# Altium PCB SPEC-A7.PcbDoc (part 2 of 10) (continued)
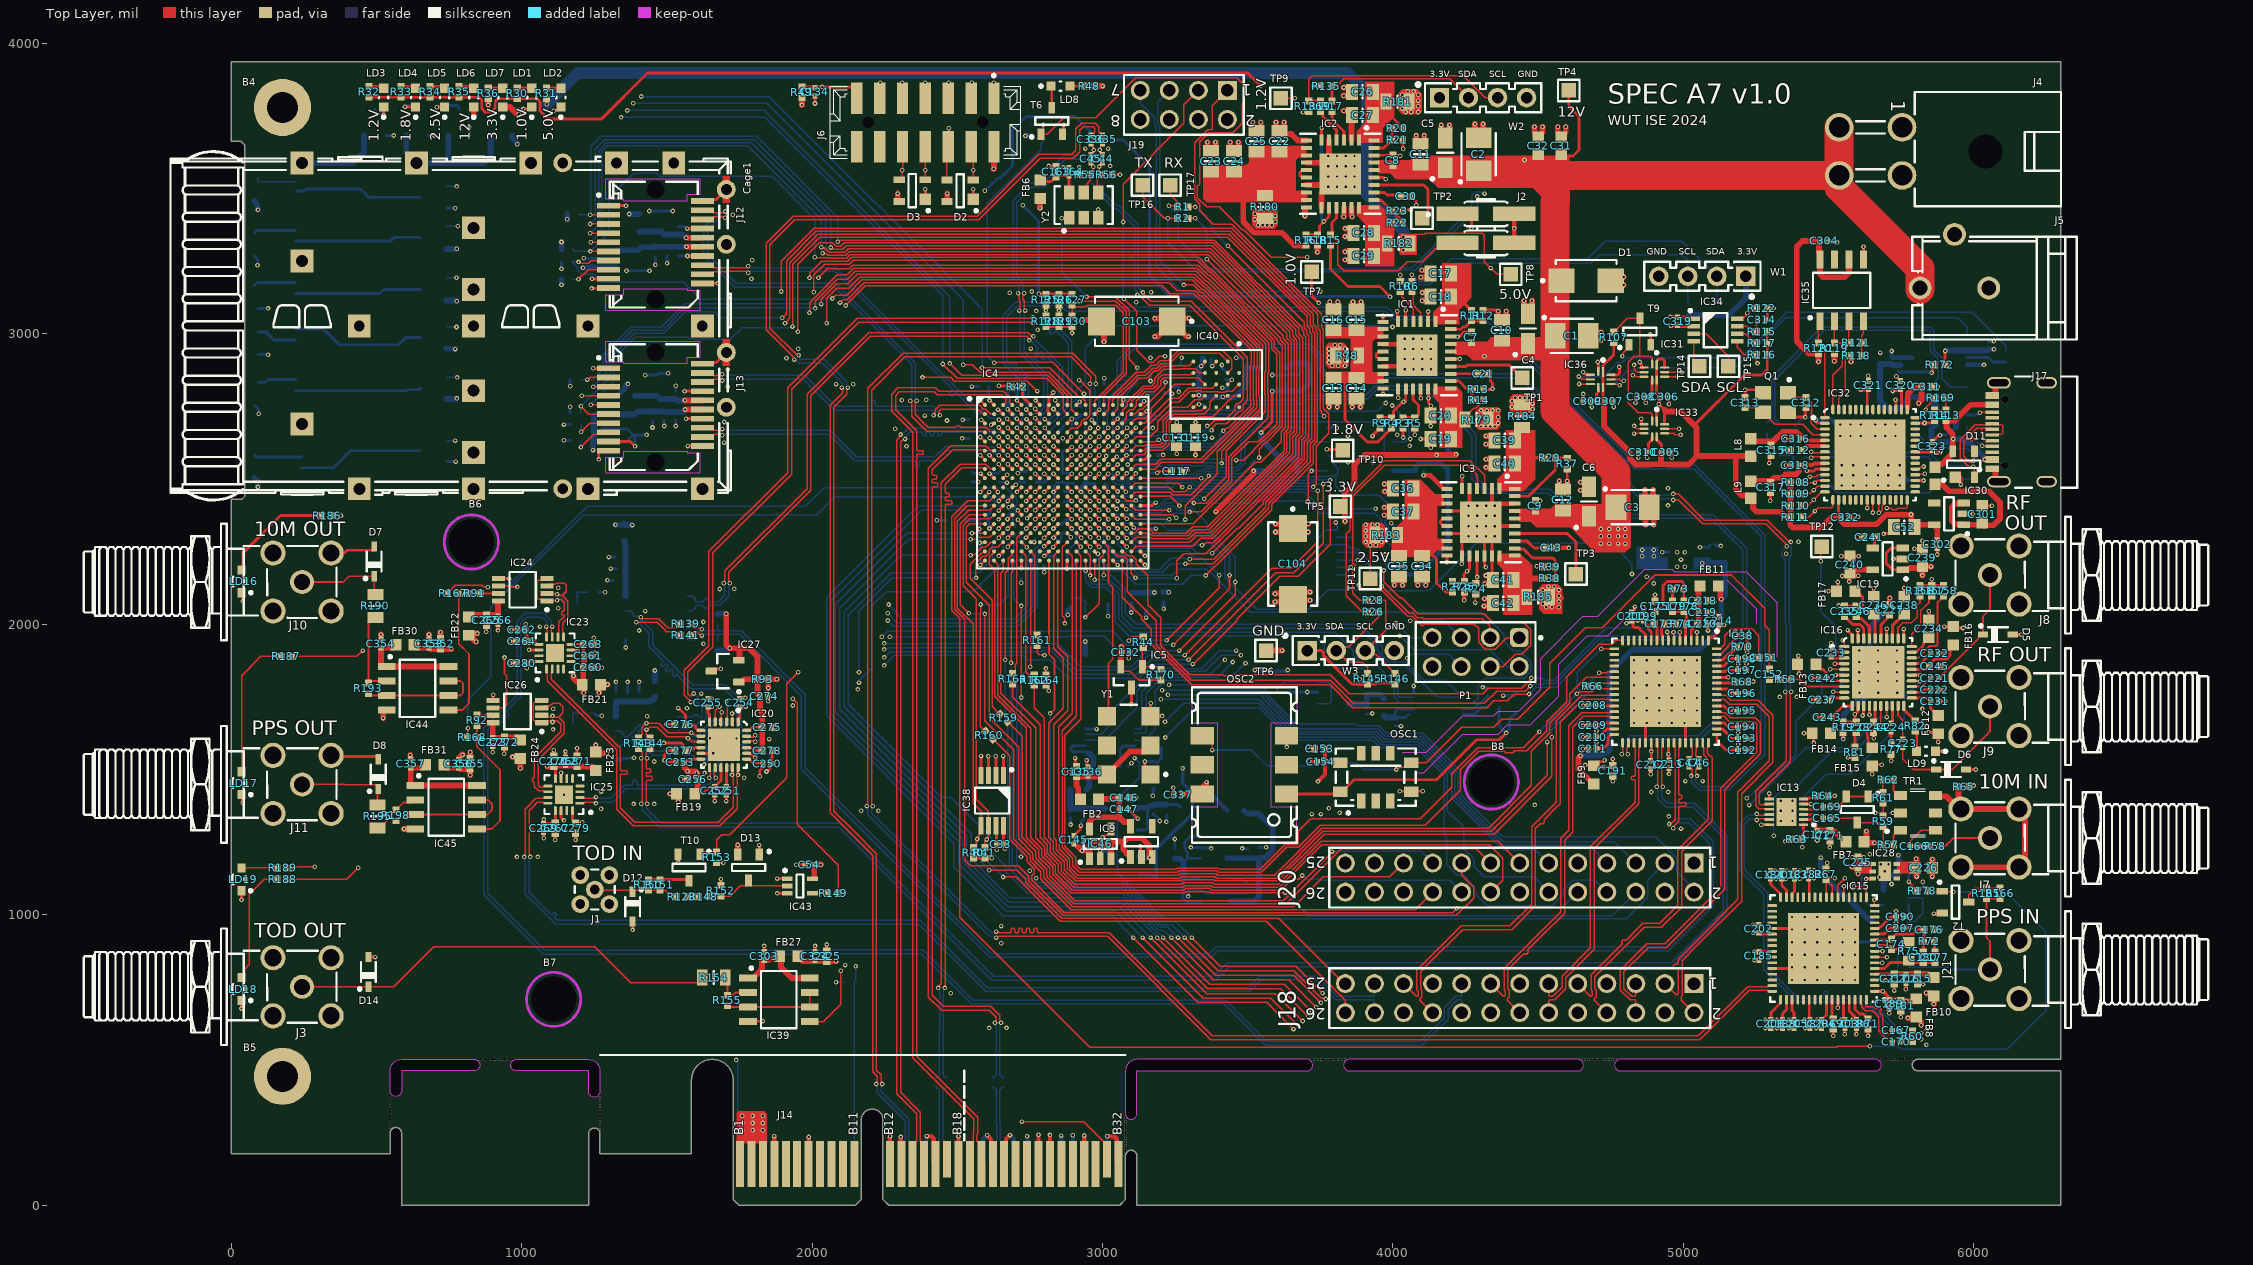
[diagram p0: Top Layer view]
## Part data (continued)
C312 C313: library part CC0402_22PF_50V_5%_C0G, "Non-polarised capacitor", Case=0402, Manufacturer=GENERIC, Manufacturer1 ComponentHeight=0.55mm, Manufacturer1 Example=KEMET, Manufacturer1 Part Number=C0402C220J5GACTU, Tolerance=±5%, Voltage=50V, Author="CERN DEM JLC", Component Type=Standard, CreateDate=03.12.2007, HelpURL="\\cern.ch\dfs\Applications\Altium\Datasheets\CC0805_C0G_KEMET_(Commercial Grade).pdf", LatestRevisionDate=03.12.2007, Manufacturer Part Number=CC0402_22PF_50V_5%_C0G, Mounted=Yes, Part Description="SMD Multilayer Chip Ceramic Capacitor", Part Number=CC0402_22PF_50V_5%_C0G, Pin Count=2, Sense=No, SMD=Yes, Socket=No, Status=Preferred, TC=C0G/NP0
C333 C334: library part CC0402_47PF_50V_5%_C0G, "Non-polarised capacitor", Case=0402, Manufacturer=GENERIC, Manufacturer1 ComponentHeight=0.55mm, Manufacturer1 Example=KEMET, Manufacturer1 Part Number=C0402C470J5GACTU, Tolerance=±5%, Voltage=50V, Author="CERN DEM JLC", Component Type=Standard, CreateDate=03.12.2007, HelpURL="\\cern.ch\dfs\Applications\Altium\Datasheets\CC0402_C0G_KEMET_(Commercial Grade).pdf", LatestRevisionDate=22.04.2015, Manufacturer Part Number=CC0402_47PF_50V_5%_C0G, Mounted=Yes, Part Description="SMD Multilayer Chip Ceramic Capacitor", Part Number=CC0402_47PF_50V_5%_C0G, Pin Count=2, Sense=No, SMD=Yes, Socket=No, Status=Preferred, TC=C0G/NP0
Cage1: library part TYCO_2007263-1, "SFP 1x2 Cage (25Pins)", Manufacturer="TYCO ELECTRONICS", Manufacturer Part Number=2007263-1, Author="CERN DEM JLC", Component Type=Standard, ComponentHeight=9.7mm, CreateDate=18.01.2017, Family=SFP+, HelpURL=\\cern.ch\dfs\Applications\Altium\Datasheets\TYCO_2007263-1.pdf, LatestRevisionDate=18.01.2017, Mounted=Yes, Part Description="1x2 Press Fit SFP+ Cage with EMI Springs", Part Number=TYCO_2007263-1, Pin Count=25, PressFit=Yes, Sense=No, SMD=No, Socket=No, Status=None
D1: "Zener Diode", Case=DO-214AA, Manufacturer="FAIRCHILD SEMICONDUCTOR", Power=600W, Voltage=12V, Author="CERN DEM JLC", Bonding=No, Component Type=Standard, ComponentHeight=2.65mm, CreateDate=10.04.2013, Device=SMBJ12A, HelpURL=\\cern.ch\dfs\Applications\Altium\Datasheets\SMBJ.pdf, LatestRevisionDate=10.04.2013, Manufacturer Part Number=SMBJ12A, Mounted=Yes, PackageDescription="DO-214-AA/SMB Diode, Molded Body; 5.34mm L X 3.625mm W X 2.65mm H, IPC Medium Density", Part Description="Uni-Directional Transient Voltage Suppressor Diode", Part Number=SMBJ12A, Pin Count=2, PressFit=No, Sense=No, SMD=Yes, Socket=No
D2 D3 D11: "Ultra Low Capacitance Double Rail-to-Rail ESD Protection Diode", Case=SOT143B, Manufacturer="NXP SEMICONDUCTORS", Voltage=5.5V, Author="CERN DEM JLC", Bonding=No, Component Type=Standard, ComponentHeight=1.1mm, CreateDate=22.03.2011, Device=PRTR5V0U2X, HelpURL=\\cern.ch\dfs\Applications\Altium\Datasheets\PRTR5V0U2X.pdf, LatestRevisionDate=22.03.2011, Manufacturer Part Number=PRTR5V0U2X, Mounted=Yes, PackageDescription="SOT143B, SOT, 1.90mm Pitch; 4 Pin, 1.30mm W X 2.90mm L X 1.10mm H body, IPC Medium Density", Part Description="Ultra Low Capacitance (1pF) Double Rail-to-Rail ESD Protection Diode (8kV)", Part Number=PRTR5V0U2X, Pin Count=4, PressFit=No, Sense=No, SMD=Yes, Socket=No
D4 D13 D16: "Serial Diode", Case=SOT23-3, Manufacturer="FAIRCHILD SEMICONDUCTOR", Power=350mW, Voltage=70V, Author="CERN DEM JLC", Bonding=No, Component Type=Standard, ComponentHeight=1.1mm, CreateDate=06.05.2008, Device=BAV99, HelpURL=\\cern.ch\dfs\Applications\Altium\Datasheets\BAV99.pdf, LatestRevisionDate=27.09.2012, Manufacturer Part Number=BAV99, Mounted=Yes, PackageDescription="SOT, 0.95mm Pitch; 3 Pin, 1.40mm W X 3.00mm L X 1.10mm H body, IPC Medium Density", Part Description="Dual Series Signal Diode", Part Number=BAV99, Pin Count=3, PressFit=No, Sense=No, SMD=Yes, Socket=No
D5 D6 D7 D8 D12 D14 D15: "Transient Voltage Suppressor Diode (Uni-Directional)", Case=SOD-323, Manufacturer="NXP SEMICONDUCTORS", Power=890W, Voltage=5V, Author="CERN DEM JLC", Bonding=No, Component Type=Standard, ComponentHeight=1.1mm, CreateDate=28.08.2012, Device=PESD5V0S1UA, HelpURL=\\cern.ch\dfs\Applications\Altium\Datasheets\PESD5V0S1UA.pdf, LatestRevisionDate=18.09.2013, Manufacturer Part Number=PESD5V0S1UA, Mounted=Yes, PackageDescription="Small Outline Diode (SOD-323), 1.70mm W X 1.25mm L X 1.10mm H body,  IPC Medium Density", Part Description="Unidirectional ESD Protection for Transient Voltage Suppression", Part Number=PESD5V0S1UA, Pin Count=2, PressFit=No, Sense=No, SMD=Yes, Socket=No
FB1 FB2 FB3 FB4 FB5 FB6 FB7 FB8 FB9 FB10 FB11 FB12 FB13 FB14 FB15 FB16 FB17 FB18 FB19 FB20 FB21 FB22 FB23 FB24 FB25 FB26 FB27 FB28 FB29 FB30 FB31: library part IND0603_MURATA_BLM18SG221TN1, Case=0603, Manufacturer=MURATA, Manufacturer Part Number=BLM18SG221TN1, Power=2.5A, Resistance=0.04R, Tolerance=±25%, Author="CERN DEM MR", Component Type=Standard, ComponentHeight=0.95mm, CreateDate=08.01.2016, HelpURL=\\cern.ch\dfs\Applications\Altium\Datasheets\IND0603_MURATA_BLM18S.pdf, LatestRevisionDate=25.10.2018, Mounted=Yes, Part Description="SMD EMIFIL Suppression Chip Ferrite Bead", Part Number=IND0603_MURATA_BLM18SG221TN1, Pin Count=2, Sense=No, SMD=Yes, Socket=No
IC1 IC2 IC3: library part MPM54304GMN-XXXX, "Quad-Output Power Module with I2C and MTP", Case=QFN32, Manufacturer="MPS (MONOLITIC  POWER SYSTEMS)", Author="CERN DEM BC", Bonding=No, Component Type=Standard, ComponentHeight=2.1mm, CreateDate=09.11.2020, Device=MPM54304GMN-002, HelpURL=\\cern.ch\dfs\Applications\Altium\Datasheets\MPM54304GMN.pdf, LatestRevisionDate=23.11.2022, Manufacturer Part Number=MPM54304GMN-002, Mounted=Yes, PackageDescription="MPS LGA-33 Case, 0.65mm Pitch, Rect.; 32 Pin, 7.00mm L X 7.00mm W X 2.10mm H body (w/Thermal Tab 3.55 X 3.55mm)", Part Description="4V to 16V Input, Quad-Output Power Module with I2C and MTP", Part Number=MPM54304GMN-002, Pin Count=33, PressFit=No, Sense=No, SMD=Yes, Socket=No
IC4: library part CMP-0383-00003-1, "Artix-7 FPGA, 150 User I/Os, 4 GTP, 324-Ball BGA, Speed Grade 2, Industrial Grade, Pb-Free", Manufacturer=Xilinx, Operating Temperature Range=Industrial, Available User I/O=150, CMTs=5, ComponentLink1Description="Manufacturer URL", ComponentLink1URL=http://www.xilinx.com/, ComponentLink2Description=Datasheet, ComponentLink2URL=http://www.xilinx.com/support/documentation/data_sheets/ds180_7Series_Overview.pdf, ComponentLink3Description=Pinout, ComponentLink3URL=http://www.xilinx.com/support/documentation/user_guides/ug475_7Series_Pkg_Pinout.pdf, ComponentLink4Description="Package Specification", ComponentLink4URL=http://www.xilinx.com/support/documentation/user_guides/ug475_7Series_Pkg_Pinout.pdf, DatasheetVersion="Rev. 1.15", GTP=4, Logic Cells=33280, Maximum Distributed RAM="400 Kb", Mounting Technology="Surface Mount", PackageDescription="324-Ball Wire-Bond Chip-Scale BGA, Body 15 x 15 mm, Pitch 0.8 mm", PackageReference=CSG-325, PackageVersion="Rev. 1.11", PartNumber=XC7A35T-2CSG325I, Speed Grades=2, Total Block RAM="1800 Kb"
IC5: library part CMP-0138-00412-1, "Micropower Voltage Supervisors, 3-Pin SOT-23, Extended Temperature, Tape and Reel", Code_IPC=SOT23-3, DatasheetVersion="revB, Mar-2005", PackageDescription="3-Lead Plastic Small Outline Transistor (TT) [SOT-23]", PackageReference=SOT-23-TT3, PackageVersion="revBB, Aug-2009"
IC6: "128Mb, 3V, Serial Multi I/O Flash Memory", Case=SON8, Manufacturer=MACRONIX, Author="CERN DEM HF", Bonding=No, Component Type=Standard, ComponentHeight=2.16mm, CreateDate=16.04.2024, Device=MX25L12835FZNI-10G, HelpURL=\\cern.ch\dfs\Applications\Altium\Datasheets\MX25L12835.pdf, LatestRevisionDate=16.04.2024, Manufacturer Part Number=MX25L12835FZNI-10G, Mounted=Yes, PackageDescription="SON, 1.27mm Pitch, 8 Pin, 6.00mm W X 5.00mm L X 0.80mm H body (w/Thermal Tab  3.50 X 4.10mm), IPC Medium Density", Part Description="128Mb (16M x 8), 3V, CMOS MXSMIO® Serial Multi I/O Flash Memory", Part Number=MX25L12835FZNI-10G, Pin Count=9, PressFit=No, Sense=No, SMD=Yes, Socket=No
IC8 IC9 IC11 IC12: "300mA, High PSRR, Low Quiescent Current LDO", Case=SOT23-5, Manufacturer="MICROCHIP TECHNOLOGY", Author="CERN DEM JLC", Bonding=No, Component Type=Standard, ComponentHeight=1.45mm, CreateDate=03.05.2012, Device=MCP1802T-3002I/OT, HelpURL=\\cern.ch\dfs\Applications\Altium\Datasheets\MCP1802T-3002I-OT.pdf, LatestRevisionDate=17.09.2014, Manufacturer Part Number=MCP1802T-3002I/OT, Mounted=Yes, PackageDescription="SOT, 0.95mm Pitch; 5 Pin,1.55mm W X 2.90mm L X 1.45mm H body, IPC Medium Density", Part Description="3V, 300mA, High PSRR, Low Quiescent Current LDO", Part Number=MCP1802T-3002I/OT, Pin Count=3, PressFit=No, Sense=No, SMD=Yes, Socket=No
IC13: library part LTC6957IDD-2#PBF, "Low Phase Noise, Dual Output Buffer/Driver/Logic Converter, LVDS Logic Outputs", Case=SON12, Manufacturer="LINEAR TECHNOLOGY", Author="CERN DEM MR", Bonding=No, Component Type=Standard, ComponentHeight=0.8mm, CreateDate=12.09.2016, Device=LTC6957IDD-2, HelpURL=\\cern.ch\dfs\Applications\Altium\Datasheets\LTC6957IDD-2#PBF.pdf, LatestRevisionDate=02.02.2022, Manufacturer Part Number=LTC6957IDD-2, Mounted=Yes, PackageDescription="SON, 0.45mm Pitch; 12 Pin, 3.00mm W X 3.00mm L X 0.80mm H Body (w/Thermal tab 1.75 x 2.48mm), IPC Medium Density", Part Description="Low Phase Noise, Dual Output Buffer/Driver/Logic Converter, LVDS Logic Outputs", Part Number=LTC6957IDD-2#PBF, Pin Count=13, PressFit=No, Sense=No, SMD=Yes, Socket=No
IC14 IC15: library part CMP-0288-00048-2, "14 Outputs Clock Generator with Integrated 1.6 GHz VCO, 3.3 V Supply, Industrial, 64-pin QFN (CP-64-4), Tray", Manufacturer="Analog Devices", Supply Voltage (V)=3.3, # of Inputs=2, # of Outputs=14, Code_JEDEC=MO-220-VMMD-4, ComponentLink1Description="Manufacturer URL", ComponentLink1URL=http://www.analog.com/en/index.html, ComponentLink2Description=Datasheet, ComponentLink2URL=http://www.analog.com/static/imported-files/data_sheets/AD9516-4.pdf, ComponentLink3Description="Package Specification", ComponentLink3URL=http://www.analog.com/static/imported-files/packages/PKG_PDF/LFCSP(CP)/CP_64_4.pdf, ComponentLink4Description="Product URL", ComponentLink4URL=http://www.analog.com/en/clock-and-timing/clock-generation-and-distribution/ad9516-4/products/product.html, ComponentLink5Description="Reference Circuit", ComponentLink5URL=http://www.analog.com/en/clock-and-timing/clock-generation-and-distribution/ad9516-4/products/product.html#product-recommendations, DatasheetVersion="Rev. B", I/O Interface=Serial, Max f-out="1.8 GHz", Mounting Technology="Surface Mount", On-Chip VCO or DCO=Yes, Output Logic="CMOS, LVDS, LVPECL", PackageDescription="64-Pin Lead Frame Chip Scale Package, Body 9 x 9 mm, Pitch 0.5 mm", PackageReference=CP-64-4, PackageVersion="06-12-2012-B, 06/2012", Packing=Tray, PartNumber=AD9516-4BCPZ
IC16: "15GHz Wideband PLLatinum RF Synthesizer with Phase Synchronization and JESD204B Support", Case=QFN40, Manufacturer="TEXAS INSTRUMENTS", Author="CERN DEM HF", Bonding=No, Component Type=Standard, ComponentHeight=1mm, CreateDate=15.04.2024, Device=LMX2572RHA, HelpURL=\\cern.ch\dfs\Applications\Altium\Datasheets\LMX2572.pdf, LatestRevisionDate=15.04.2024, Manufacturer Part Number=LMX2572RHA, Mounted=Yes, PackageDescription="QFN, 0.50mm Pitch, Square; 40 Pin, 6.00mm L X 6.00mm W X 1.00mm H body (w/Thermal Tab 4.60 x 4.60mm), IPC Medium Density", Part Description="Low power wideband RF synthesizer with phase synchronization and JESD204B support", Part Number=LMX2572RHA, Pin Count=41, PressFit=No, Sense=No, SMD=Yes, Socket=No
IC17: Case=TSSOP14, Manufacturer="NXP SEMICONDUCTORS", Author="CERN DEM JLC", Bonding=No, Component Type=Standard, ComponentHeight=1.1mm, CreateDate=2014-11-19, Device=74HC4066PW, HelpURL=\\cern.ch\dfs\Applications\Altium\Datasheets\74HC4066PW.pdf, LatestRevisionDate=2014-11-19, Manufacturer Part Number=74HC4066PW, Mounted=Yes, PackageDescription="SOP, 14-Leads, Body 4.4x5mm (max), Pitch 0.65mm, IPC Medium Density", Part Description="Quad Single-Pole Single-Throw Analog Switch", Part Number=74HC4066PW, Pin Count=14, PressFit=No, SMD=Yes, Socket=No, Table="Standard Logic"
IC19 IC30 IC46 IC47: "500mA Peak Output LDO Regulator", Case=SOT23-5, Manufacturer="MICROCHIP TECHNOLOGY", Author="CERN DEM WB", Bonding=No, Component Type=Standard, ComponentHeight=1.45mm, Device=MIC5219-3.3YM5, HelpURL=\\cern.ch\dfs\Applications\Altium\Datasheets\MIC5219-3.3YM5.pdf, Manufacturer Part Number=MIC5219-3.3YM5, Mounted=Yes, Part Description="3.3V 500mA Peak Output Low Drop-Out  (LDO) Regulator", Part Number=MIC5219-3.3YM5, Pin Count=5, PressFit=No, Sense=No, SMD=Yes, Socket=No
  IC19: CreateDate=16.04.2019, LatestRevisionDate=16.04.2019, PackageDescription="SOT23, 0.95mm Pitch; 5 Pin, 1.60mm W X 2.90mm L X 1.45mm H body, IPC Medium Density"
  IC30 IC46 IC47: CreateDate=2019-04-16, LatestRevisionDate=2019-04-16, PackageDescription="SOT, 0.95mm pitch; 5 pin, 1.60mm W X 2.90mm L X 1.45mm H body, IPC Medium Density"
IC20: Manufacturer_Name=onsemi, Mouser Part Number=863-NB6L295MNG, Datasheet=http://www.onsemi.com/pub/Collateral/NB6L295-D.PDF, Height=1, Manufacturer_Part_Number=NB6L295MNG, Mouser Price/Stock=https://www.mouser.co.uk/ProductDetail/ON-Semiconductor/NB6L295MNG?qs=t2BMfLoP1KTcOfiCXyq1Jw%3D%3D, Reference=IC?
IC21 IC22: Manufacturer_Name=onsemi, Mouser Part Number=863-MC100EP52DG, Datasheet=http://www.onsemi.com/pub/Collateral/MC10EP52-D.PDF, Height=1.75, Manufacturer_Part_Number=MC100EP52DG, Mouser Price/Stock=https://www.mouser.co.uk/ProductDetail/onsemi/MC100EP52DG?qs=zorda86t5M%2FLiRmjo16XeQ%3D%3D, Reference=IC
IC23 IC25: library part CMP-0288-00092-1, "Ultrafast SiGe ECL Clock/Data Buffers, CP-16-3, Pb-Free, 1500 Reel", +Supply Voltage (V)=3.3, Code_JEDEC=MO-220-VEED-2, ComponentLink1Description="Manufacturer URL", ComponentLink1URL=www.analog.com, ComponentLink2Description=Datasheet, ComponentLink2URL=http://www.analog.com/static/imported-files/data_sheets/ADCLK905_907_925.pdf, ComponentLink3Description="Package Specification", ComponentLink3URL=http://www.analog.com/static/imported-files/packages/PKG_PDF/LFCSP(CP)/CP_16_3.pdf, DatasheetVersion="Rev. 0", Inputs=1, Max f-out (MHz)=6000, On-Chip VCO or DCO=No, Output Logic="ECL; LVPECL; PECL", Outputs=2, PackageDescription="16-Lead Lead Frame Chip Scale Package [LFCSP_VQ]", PackageReference=CP-16-3, PackageVersion=Jan-2005, Product Description="Clock Buffer"
IC24 IC26: library part CMP-0327-00201-3, "600 Mbps 3.3 V Dual Differential LVPECL Buffer to LVTTL Translator, 2 Tx and 2 Rx, -40 to +85 degC, 8-pin VSSOP (DGK), Green (RoHS & no Sb/Br)", Manufacturer="Texas Instruments", ComponentLink1Description="Manufacturer URL", ComponentLink1URL=http://www.ti.com/, ComponentLink2Description=Datasheet, ComponentLink2URL=http://www.ti.com/general/docs/lit/getliterature.tsp?genericPartNumber=SN65LVELT23&fileType=pdf, ComponentLink3Description="URL Link1", ComponentLink3URL=SamplesURL:http://www.ti.com/product/sn65lvelt23#samples, DatasheetVersion=SLLS929A, Eco-Plan="Green (RoHS & no Sb/Br)", ICC(Max)(mA)=27, Input Signal="LVPECL, LVDS", Mounting Technology="Surface Mount", No. of Rx=2, No. of Tx=2, Output Signal=LVTTL, PackageDescription="8-Pin Thin Small Outline Package 3 x 3 mm Body ,0.65 mm Pitch", PackageReference=DGK0008A, PackageVersion="revE, May-2006", Part-to-Part Skew(Max)(ps)=200, PartNumber=SN65LVELT23DGKR, Signaling Rate(Mbps)=600, SubFamily="PECL PHY", xECL=TRUE
IC27: library part CMP-0366-00832-2, "Low Voltage Adjustable Precision Shunt Regulator, 39 ppm / degC, 15 mA, -40 to 85 degC, 3-pin SOT-23 (DBZ), Green (RoHS & no Sb/Br)", Manufacturer="Texas Instruments", Rating=Catalog, Temp Coeff(Max)(ppm/ degree C)=129, Temp Coeff(Typ)(ppm/ degree C)=39, Code_JEDEC=TO-236, ComponentLink1Description="Manufacturer URL", ComponentLink1URL=http://www.ti.com/, ComponentLink2Description=Datasheet, ComponentLink2URL=http://www.ti.com/general/docs/lit/getliterature.tsp?genericPartNumber=TLV431&fileType=pdf, ComponentLink3Description="Package Specification", ComponentLink3URL=http://www.ti.com/litv/pdf/mpds108a, ComponentLink4Description="URL Link1", ComponentLink4URL="Samples URL:http://www.ti.com/product/tlv431", DatasheetVersion=SLVS139T, Eco-Plan="Green (RoHS & no Sb/Br)", Initial Accuracy @ 25/deg C(%)=1.5, Iout/Iz(Max)(mA)=15, Min Iz for Regulation(uA)=80, Mounting Technology="Surface Mount", PackageDescription="3-Pin Plastic Small Outline, Body 2.92 x 1.3 mm, Pitch 0.95 mm", PackageReference=DBZ0003A, PackageVersion=4203227/B, PartNumber=TLV431IDBZR, SubFamily="Shunt Voltage Reference", VO Adj(Max)(V)=6, VO Adj(Min)(V)=1.24
IC29: library part CMP-0248-00026-3, "IC USB SERIAL BASIC UART 16SSOP", Case/Package=SSOP, Max Operating Temperature=85°C, Max Supply Voltage=5.5V, Min Operating Temperature=-40°C, Min Supply Voltage=2.97V, Operating Supply Current=8mA, Operating Supply Voltage=5V, Package Quantity=3000, Data Rate=12Mbps, Height=0.059inch, Interface=UART, Length=5mm, Mount="Surface Mount", Number Of Channels=1, Number of Pins=16, Packaging="Tape and Reel", Weight=0.004586oz, Width=0.157inch
IC31 IC33 IC36: "Dual-Bit Dual-Supply Bus Transceiver With Configurable Voltage Translation and 3-State Outputs", Case=QFN10, Manufacturer="TEXAS INSTRUMENTS", Author="CERN DEM JLC", Bonding=No, Component Type=Standard, ComponentHeight=0.55mm, CreateDate=07.07.2014, Device=SN74AVC2T245RSWR, HelpURL=\\cern.ch\dfs\Applications\Altium\Datasheets\SN74AVC2T245RSWR.pdf, LatestRevisionDate=30.03.2017, Manufacturer Part Number=SN74AVC2T245RSWR, Mounted=Yes, PackageDescription="QFN, 0.40mm Pitch, Rect.;10 Pin, 1.80mm L X 1.40mm W X 0.55mm H Body, IPC Medium Density", Part Description="Dual-Bit Dual-Supply Bus Transceiver With Configurable Voltage Translation and 3-State Outputs", Part Number=SN74AVC2T245RSWR, Pin Count=10, PressFit=No, Sense=No, SMD=Yes, Socket=No, Status="Not Recommended"
IC32: "Quad High Speed USB to Multipurpose UART/MPSSE IC", Case=QFN56, Manufacturer="FUTURE TECHNOLOGY DEVICES INTERNATIONAL (FTDI)", Author="CERN DEM JLC", Bonding=No, Component Type=Standard, ComponentHeight=1mm, CreateDate=11.10.2016, Device=FT4232H-56Q, HelpURL=\\cern.ch\dfs\Applications\Altium\Datasheets\FT4232H-56Q.pdf, LatestRevisionDate=11.10.2016, Manufacturer Part Number=FT4232H-56Q, Mounted=Yes, PackageDescription="QFN, 0.50mm Pitch, Square; 56 Pin, 8.00mm L X 8.00mm W X 1.00mm H body (6.1mm X 6.1mm Thermal tab), IPC Medium Density", Part Description="Quad High Speed USB to Multipurpose UART/MPSSE IC", Part Number=FT4232H-56Q, Pin Count=57, PressFit=No, Sense=No, SMD=Yes, Socket=No
IC34: "Dual Bidirectional I2C Bus And SMBus Voltage-Level Translator", Case=SSOP8, Manufacturer="TEXAS INSTRUMENTS", Author="CERN DEM JLC", Bonding=No, Component Type=Standard, ComponentHeight=1.3mm, CreateDate=25.02.2013, Device=PCA9306DCTR, HelpURL=\\cern.ch\dfs\Applications\Altium\Datasheets\PCA9306DCTR.pdf, LatestRevisionDate=11.02.2016, Manufacturer Part Number=PCA9306DCTR, Mounted=Yes, PackageDescription="SOP, 0.65mm, Pitch; 8 Pin, 2.80mm W X 2.95mm L X 1.30mm H Body, PC Medium Density", Part Description="Dual Bidirectional I2C Bus And SMBus Voltage-Level Translator", Part Number=PCA9306DCTR, Pin Count=8, PressFit=No, Sense=No, SMD=Yes, Socket=No
IC35: "2.5 to 5.5 V, 1Kb (128x8) Serial Microwire Bus EEPROM", Case=SOIC8, Manufacturer="ST MICROELECTRONICS", Author="CERN DEM JLC", Bonding=No, Component Type=Standard, ComponentHeight=1.75mm, CreateDate=15.11.2012, Device=M93C46-WMN6TP, HelpURL=\\cern.ch\dfs\Applications\Altium\Datasheets\M93C46-WMN6TP.pdf, LatestRevisionDate=15.11.2012, Manufacturer Part Number=M93C46-WMN6TP, Mounted=Yes, PackageDescription="SOIC 8, Pitch 1.27mm - Body 4x5mm, IPC Medium Density", Part Description="1Kbit (128 x 8 bit or 64 x 16 bit) MICROWIRE® Serial Access EEPROM", Part Number=M93C46-WMN6TP, Pin Count=8, PressFit=No, Sense=No, SMD=Yes, Socket=No
IC37: "Programmable Resolution 1-Wire Digital Thermometer", Case=uSOP8, Manufacturer="DALLAS MAXIM", Manufacturer Part Number=DS18B20U, Author="CERN DEM JLC", Bonding=No, Component Type=Standard, ComponentHeight=1.1mm, CreateDate=17.03.2010, Device=DS18B20U+, HelpURL=\\cern.ch\dfs\Applications\Altium\Datasheets\DS18B20U+.pdf, LatestRevisionDate=22.06.2023, Mounted=Yes, PackageDescription="SOP, 0.65mm Pitch; 8 Pin, 3.00mm W X 3.00mm L X 1.10mm H body, IPC Medium Density", Part Description="Programmable Resolution 1-Wire Digital Thermometer (-55°C to +125°C)", Part Number=DS18B20U+, Pin Count=3, PressFit=No, Sense=No, SMD=Yes, Socket=No
IC38: "64K I2C Serial EEPROM", Case=MSOP8, Manufacturer="MICROCHIP TECHNOLOGY", Author="CERN DEM JLC", Bonding=No, Component Type=Standard, ComponentHeight=1.1mm, CreateDate=24.01.2011, Device=24LC64-I/MS, HelpURL=\\cern.ch\dfs\Applications\Altium\Datasheets\24LC64-I-MS.pdf, LatestRevisionDate=24.01.2011, Manufacturer Part Number=24LC64-I/MS, Mounted=Yes, PackageDescription="SOP, 0.65mm pitch; 8 pin, 3.00mm W X 3.00mm L X 1.10mm H body, IPC Medium Density", Part Description="2.5V-5.5V, 64K (8K x 8-bit) I2C Serial EEPROM", Part Number=24LC64-I/MS, Pin Count=8, PressFit=No, Sense=No, SMD=Yes, Socket=No
IC40: library part CMP-32844-000028-1, "IC PSRAM 64MBIT HYPERBUS 24FBGA"
IC42 IC43: "Single Bus Buffer Gate With 3-State Output", Case=SOT353, Manufacturer=NEXPERIA, Author="CERN DEM JMW", Bonding=No, Component Type=Standard, ComponentHeight=1.1mm, CreateDate=06.08.2020, Device=74HCT1G125GW, HelpURL=\\cern.ch\dfs\Applications\Altium\Datasheets\74HCT1G125GW.pdf, LatestRevisionDate=06.08.2020, Manufacturer Part Number=74HCT1G125GW, Mounted=Yes, PackageDescription="SOT353, SC70-5, 0.65mm Pitch; 5 Pin, 1.25mm W X 2.00mm L X 1.10mm H body, IPC Medium Density", Part Description="Bus Buffer/Line Driver 3-State", Part Number=74HCT1G125GW, Pin Count=5, PressFit=No, Sense=No, SMD=Yes, Socket=No
J1: library part SAMTEC_MMCX-J-P-H-ST-TH1, Author="CERN DEM JLC", Component Type=Standard, ComponentHeight=4.35mm, CreateDate=05.12.2012, LatestRevisionDate=05.12.2012, Manufacturer Part Number=MMCX-10, Mounted=Yes, Part Description="Straight Through-hole 50 Ohms Micro Mini RF Jack, MMCX Series", Part Number=MMCX-10, Pin Count=2, PressFit=No, Sense=No, SMD=No, Socket=No, Status=None
J2: library part SAMTEC_TSM-102-01-L-DV, "Connector 4 Male", Manufacturer=SAMTEC, Manufacturer Part Number=TSM-102-01-L-DV, Author="CERN DEM MR", Component Type=Standard, ComponentHeight=9.65mm, CreateDate=28.11.2017, Family="Header 2", HelpURL=\\cern.ch\dfs\Applications\Altium\Datasheets\SAMTEC_TSM-102-01-L-DV.pdf, LatestRevisionDate=28.11.2017, Mounted=Yes, Part Description="2 Contacts, Pitch 2.54mm, Dual Row Surface Mount Straight Header (Post Lead 5.84mm)", Part Number=SAMTEC_TSM-102-01-L-DV, Pin Count=4, PressFit=No, Sense=No, SMD=Yes, Socket=No, Status=None
J3 J7 J8 J9 J10 J11 J21: library part DELOCK_65848, "50 Ohm Through Hole SMA Right Angle PCB Jack", Manufacturer=DELOCK, Manufacturer Part Number="5848 (4043619658480)", Author=GK, Component Type=Standard, ComponentHeight=12.5, CreateDate=13.05.2019, Family=SMA, HelpURL=\\cern.ch\dfs\Applications\Altium\Datasheets\AMPHENOL_132203-16.pdf, LatestRevisionDate=13.05.2019, Mounted=Yes, Part Description="50 Ohm Through Hole SMA Right Angle PCB Jack", Part Number=DELOCK_65848, Pin Count=5, PressFit=No, Sense=No, SMD=No, Socket=No, Status=None
J4: library part MOLEX_39-30-0040, "Connector 4 Male", Manufacturer=MOLEX, Manufacturer Part Number=39-30-0040, Author="CERN DEM JLC", Component Type=Standard, ComponentHeight=11.4mm, CreateDate=2018-10-02, Family="Mini-Fit Jr.™", HelpURL=\\cern.ch\dfs\Applications\Altium\Datasheets\MOLEX_39-30-0040.pdf, LatestRevisionDate=2018-10-02, Mounted=Yes, Part Description="4.20mm (.165\") Pitch Mini-Fit Jr. Header, Dual Row, Right Angle with Snap-in Plastic Peg PCB Lock, 4 Circuits", Part Number=MOLEX_39-30-0040, Pin Count=4, PressFit=No, Sense=No, SMD=No, Socket=No, Status=None
J5: library part CUI_PJ-102BH, "2.5 mm Center Pin, 5A, 24V Right Angle, Through Hole, Tapered Pins, DC Power Jack Connector", Manufacturer="CUI INC.", Manufacturer Part Number=PJ-102BH, Author="CERN DEM JLC", Component Type=Standard, ComponentHeight=11mm, CreateDate=14.08.2013, Family=Jack, HelpURL=\\cern.ch\dfs\Applications\Altium\Datasheets\CUI_PJ-102BH.pdf, LatestRevisionDate=14.08.2013, Mounted=Yes, Part Description="2.5 mm Center Pin, 5A, 24V, Right Angle, Through Hole, Tapered Pins, DC Power Jack Connector", Part Number=CUI_PJ-102BH, Pin Count=3, PressFit=No, Sense=No, SMD=No, Socket=No, Status=None
J6: library part MOLEX_87832-1420, "Connector 14 Male", Manufacturer=MOLEX, Manufacturer Part Number=87832-1420, Author="CERN DEM JLC", Component Type=Standard, ComponentHeight=7.6mm, CreateDate=09.09.2008, Family=Milli-Grid™, HelpURL=\\cern.ch\dfs\Applications\Altium\Datasheets\MOLEX_87832-1420.pdf, LatestRevisionDate=09.09.2008, Mounted=Yes, Part Description="2.00mm (.079\") Pitch Milli-Grid™ Header, Surface Mount, Vertical, Shrouded, 14 Circuits,with Locking Windows and Centre Polarization Slot, PCB Locator", Part Number=MOLEX_87832-1420, Pin Count=14, PressFit=No, Sense=No, SMD=Yes, Socket=No, Status=None
J12 J13: library part MOLEX_74441-0001, "20 Position SFP  Connector (Small Form-factor Pluggable)", Manufacturer=MOLEX, Manufacturer Part Number=74441-0001, Author="CERN DEM MR", Component Type=Standard, ComponentHeight=5.4mm, ComponentLink1Description=Application, ComponentLink1URL=\\cern.ch\dfs\Applications\Altium\Datasheets\MOLEX_SFP_Application.pdf, CreateDate=03.12.2015, Family=SFP+, HelpURL=\\cern.ch\dfs\Applications\Altium\Datasheets\MOLEX_74441-0001.pdf, LatestRevisionDate=03.12.2015, Mounted=Yes, Part Description="20 Position, Pitch 0.8mm SFP Receptacle (Small Form-factor Pluggable)", Part Number=MOLEX_74441-0001, Pin Count=20, PressFit=No, Sense=No, SMD=Yes, Socket=No, Status=None
J14: "64 contacts Board Eddge PCI Express x4 Connector", Manufacturer=PCI-SIG, Author="CERN DEM JLC", Component Type="Standard (No BOM)", ComponentHeight=0mm, CreateDate=03.12.2009, Family="PCI Express x4", HelpURL="\\cern.ch\dfs\Applications\Altium\Datasheets\PCI Express x4.pdf", LatestRevisionDate=14.12.2011, Mounted=No, Part Description="64 contacts Board Edge PCI Express x4 Connector", Part Number="PCI Express x4", Pin Count=64, PressFit=No, Sense=No, SMD=No, Socket=No, Status=None
J17: library part CMP-245163-000001-1, "CONN RCPT USB2.0 TYPEC 5A", Current Rating=5/6.25/1.25/0.25A, Manufacturer=GCT, Package=0, Temperature="-40°C to +85°C", Temperature Range High=+85°C, Temperature Range Low=-40°C, Voltage Rating=20V, Automotive=No, Category=Conn, ComponentLink2Description=Datasheet, ComponentLink2URL=https://gct.co/files/drawings/usb4105.pdf, Conn Orientation="Right Angle", Contact Material=Gold,Nickel, Device Class L1=Connectors, Device Class L2="USB Connectors", Device Class L3=unset, Digikey Description="CONN RCPT USB2.0 TYPEC 5A", Height=3.46mm, Is Female=yes, Lead Free=Yes, Manufacturer Part Number=USB4105-GF-A, Number Of Contacts=16, Octopart=https://octopart.com/usb4105-gf-a-gct-106627878, RoHS=TRUE, USB Standard="USB 2.0"
J18 J20: "WR-PHD Pin Header, THT, pitch 2.54mm, Dual Row, Vertical, 26pin", Contact Resistance=20mOhm, Operating Temperature="-40 to +105degC", Rated Current=3A, Withstanding Voltage=500VAC, Working Voltage=250VAC, ComponentLink1Description=Manufacturer, ComponentLink1URL=http://www.we-online.de, ComponentLink2Description=Datasheet, ComponentLink2URL=https://katalog.we-online.de/em/datasheet/6130xx21121.pdf, Gender=Male, Mounting Technology=THT, Orientation=Vertical, Packaging=Bag, Part Number=61302621121, Pin Number=26, Pitch=2.54mm, Published Date="June 2019", Publisher="Wurth Elektronik", Row Number=Dual
J19: "WR-PHD Pin Header, THT, pitch 2.54mm, Dual Row, Vertical, 8pin", Contact Resistance=20mOhm, Operating Temperature="-40 to +105degC", Rated Current=3A, Withstanding Voltage=500VAC, Working Voltage=250VAC, ComponentLink1Description=Manufacturer, ComponentLink1URL=http://www.we-online.de, ComponentLink2Description=Datasheet, ComponentLink2URL=https://katalog.we-online.de/em/datasheet/6130xx21121.pdf, Gender=Male, Mounting Technology=THT, Orientation=Vertical, Packaging=Bag, Part Number=61300821121, Pin Number=8, Pitch=2.54mm, Published Date="June 2019", Publisher="Wurth Elektronik", Row Number=Dual
L1 L2: library part IND0402_MURATA_BLM15HB221SN1, Case=0402, Manufacturer=MURATA, Manufacturer Part Number=BLM15HB221SN1, Power=250mA, Resistance=1R, Tolerance=±25%, Author="CERN DEM JLC", Component Type=Standard, ComponentHeight=0.55mm, CreateDate=23.06.2009, HelpURL=\\cern.ch\dfs\Applications\Altium\Datasheets\IND0402_MURATA_BLM15H.pdf, LatestRevisionDate=25.10.2018, Mounted=Yes, Part Description="SMD EMIFIL Suppression Chip Ferrite Bead", Part Number=IND0402_MURATA_BLM15HB221SN1, Pin Count=2, Sense=No, SMD=Yes, Socket=No, Status=None
L3 L4 L5 L6 L7 L8 L9: library part IND0603_MURATA_BLM18SG121TN1D, "Inductor", Case=0603, Manufacturer=MURATA, Manufacturer Part Number=BLM18SG121TN1D, Power=3A, Resistance=0.025R, Tolerance=±25%, Author="CERN DEM JLC", Component Type=Standard, ComponentHeight=0.65mm, CreateDate=23.07.2014, HelpURL=\\cern.ch\dfs\Applications\Altium\Datasheets\IND0603_MURATA_BLM18S.pdf, LatestRevisionDate=23.07.2014, Mounted=Yes, Part Description="SMD EMIFIL Suppression Chip Ferrite Bead", Part Number=IND0603_MURATA_BLM18SG121TN1D, Pin Count=2, Sense=No, SMD=Yes, Socket=No, Status=None
LD1 LD2 LD3 LD4 LD5 LD6 LD7 LD8 LD9: library part LED_KINGBRIGHT_KPH-1608CGCK, "LED Green 1C 2A", Manufacturer=KINGBRIGHT, Manufacturer Part Number=KPH-1608CGCK, Author="CERN DEM JLC", Bonding=No, Color=Green, Component Type=Standard, ComponentHeight=0.65mm, CreateDate=03.07.2017, HelpURL=\\cern.ch\dfs\Applications\Altium\Datasheets\LED_KINGBRIGHT_KPH-1608CGCK.pdf, LatestRevisionDate=03.07.2017, Mounted=Yes, PackageDescription="SMT Green LED, Case 0603, Body L 1.6 x W 0.8mm H 0.65mm", Part Description="SMD Green LED, Case 1.6mmX0.8mm(0603), 0.65mm Thickness", Part Number=LED_KINGBRIGHT_KPH-1608CGCK, Pin Count=2, PressFit=No, Sense=No, SMD=Yes, Socket=No
LD10 LD11 LD12 LD13 LD14 LD15: library part LED_AVAGO_HSME-C120, "LED Green 1C 2A", Manufacturer="AVAGO TECHNOLOGIES", Manufacturer Part Number=HSME-C120, Author="CERN DEM JMW", Bonding=No, Color=Green, Component Type=Standard, ComponentHeight=0.7mm, ComponentLink1Description="Design Guide", ComponentLink1URL=\\cern.ch\dfs\Applications\Altium\Datasheets\LED_AVAGO_HSME-C110_DESIGN-GUIDE.pdf, CreateDate=22.07.2009, HelpURL=\\cern.ch\dfs\Applications\Altium\Datasheets\LED_AVAGO_HSME-C120.pdf, LatestRevisionDate=20.06.2012, Mounted=Yes, PackageDescription="Green Chip LED, 2-Leads, Body 1.7x1.1mm, Side Emitting Package", Part Description="High Performance Right Angle Chip Green LED", Part Number=LED_AVAGO_HSME-C120, Pin Count=2, PressFit=No, Sense=No, SMD=Yes, Socket=No
LD16 LD17 LD18 LD19: library part LED_AVAGO_HSMC-C120, "LED Red 1C 2A", Manufacturer="AVAGO TECHNOLOGIES", Manufacturer Part Number=HSMC-C120, Author="CERN DEM JMW", Bonding=No, Color=Red, Component Type=Standard, ComponentHeight=0.7mm, ComponentLink1Description="Design Guide", ComponentLink1URL=\\cern.ch\dfs\Applications\Altium\Datasheets\LED_AVAGO_HSMC-C120_DESIGN-GUIDE.pdf, CreateDate=22.07.2009, HelpURL=\\cern.ch\dfs\Applications\Altium\Datasheets\LED_AVAGO_HSMC-C120.pdf, LatestRevisionDate=20.06.2012, Mounted=Yes, PackageDescription="Red Chip LED, 2-Leads, Body 1.7x1.1mm, Side Emitting Package", Part Description="High Performance Right Angle Chip Red LED", Part Number=LED_AVAGO_HSMC-C120, Pin Count=2, PressFit=No, Sense=No, SMD=Yes, Socket=No
OSC1: library part OSC_25MHZ_CONNOR-WINFIELD_T604-025.0M, "Oscillator 4 pins 4=GND 5=OUT 8=OE 9=VCC 10=VC", Manufacturer=CONNOR-WINFIELD, Manufacturer Part Number=T604-025.0M, Author="CERN DEM MR", Bonding=No, Component Type=Standard, ComponentHeight=2.4mm, CreateDate=12.09.2016, HelpURL=\\cern.ch\dfs\Applications\Altium\Datasheets\OSC_CONNOR-WINFIELD_T.pdf, LatestRevisionDate=22.04.2021, Mounted=Yes, PackageDescription="SMD VCTCXO, Side Concave, 10 Pins, 5.00x7.00mm, T Series", Part Description="3.3V, ±0.28ppm, 15pF, -40°C to 85°C, LVCMOS,  Precision Tri-State Surface Mount VCTCXO, T Series", Part Number=OSC_25MHZ_CONNOR-WINFIELD_T604-025.0M, Pin Count=10, PressFit=No, Sense=No, SMD=Yes, Socket=No
OSC2: library part OSC_20MHZ_CONNOR-WINFIELD_DOT050V-020.0M, "Oscillator 4 pins 1=VCO 3=GND 4=OUT 6=VCC", Manufacturer=CONNOR-WINFIELD, Manufacturer Part Number=DOT050V-020.0M, Author="CERN DEM BC", Bonding=No, Component Type=Standard, ComponentHeight=6.86mm, CreateDate=04.11.2016, HelpURL=\\cern.ch\dfs\Applications\Altium\Datasheets\OSC_CONNOR-WINFIELD_DOT050V.pdf, LatestRevisionDate=04.11.2016, Mounted=Yes, PackageDescription="SMD VCTCXO, Side Concave, 6 Pins, 9.00mm x 14.0mm, DOT050V Series", Part Description="3.3V, ±0.05ppm, 15pF, 0 to 70°C, LVCMOS, Precision Surface Mount VCTCXO Temperature Compensated Crystal Oscillator, DOT050V Series", Part Number=OSC_20MHZ_CONNOR-WINFIELD_DOT050V-020.0M, Pin Count=6, PressFit=No, Sense=No, SMD=Yes, Socket=No
P1: "WR-PHD Pin Header, THT, Vertical, pitch 2.54mm, 2 Row, 8P", Contact Resistance=20mOhm, Manufacturer="Wurth Elektronik", Operating Temperature Max=105°C, Operating Temperature Min=-40°C, Rated Current=3A, Withstanding Voltage=500V, Working Voltage=250V, Category="Board-to-Board Connectors", ComponentLink1Description="Website Link", ComponentLink1URL=https://www.we-online.com/redexpert/article/61300821121?ad, ComponentLink2Description="Datasheet Link", ComponentLink2URL=https://www.we-online.com/redexpert/spec/61300821121?ad, Gender="Pin Header", Manufacturer Part Number=61300821121, Match Code=WR-PHD, Mount="Through Hole", Number of Pins=8, Number Of Rows=2, Orientation=Vertical, Packaging=Bag, Pitch=2.54mm
Q1: library part XTAL_12MHZ_TXC_7M-12.000MAAJ-T, "Crystal 4 pins 1=XTAL Control 2=GND3=XTAL 4=GND", Manufacturer="TXC CORPORATION", Manufacturer Part Number=7M-12.000MAAJ-T, Author="CERN DEM JLC", Bonding=No, Component Type=Standard, ComponentHeight=0.8mm, CreateDate=19.06.2012, HelpURL=\\cern.ch\dfs\Applications\Altium\Datasheets\XTAL_TXC_7M.pdf, LatestRevisionDate=19.06.2012, Mounted=Yes, PackageDescription="4 Pins, 2.5x3.2mm, SMD Sealing Crystal, 7M Serie", Part Description="±30ppm 18pF -20°C to +70°C  4 Pins, 3.2x2.5X0.8mm, SMD Sealing Crystal, 7M Series", Part Number=XTAL_12MHZ_TXC_7M-12.000MAAJ-T, Pin Count=4, PressFit=No, Sense=No, SMD=Yes, Socket=No